# Altium PCB Core.PcbDoc (part 3 of 3)
Units mm, origin at the board's own origin, x right, y up, seen from the top; angles counter-clockwise.
Board outline 77.6 x 67.71 mm, 4 copper layers (Top Layer, Layer 1, Layer 2, Bottom Layer), stack 1.564 mm thick; 287 components, 230 nets, 1091 pads, 581 vias.
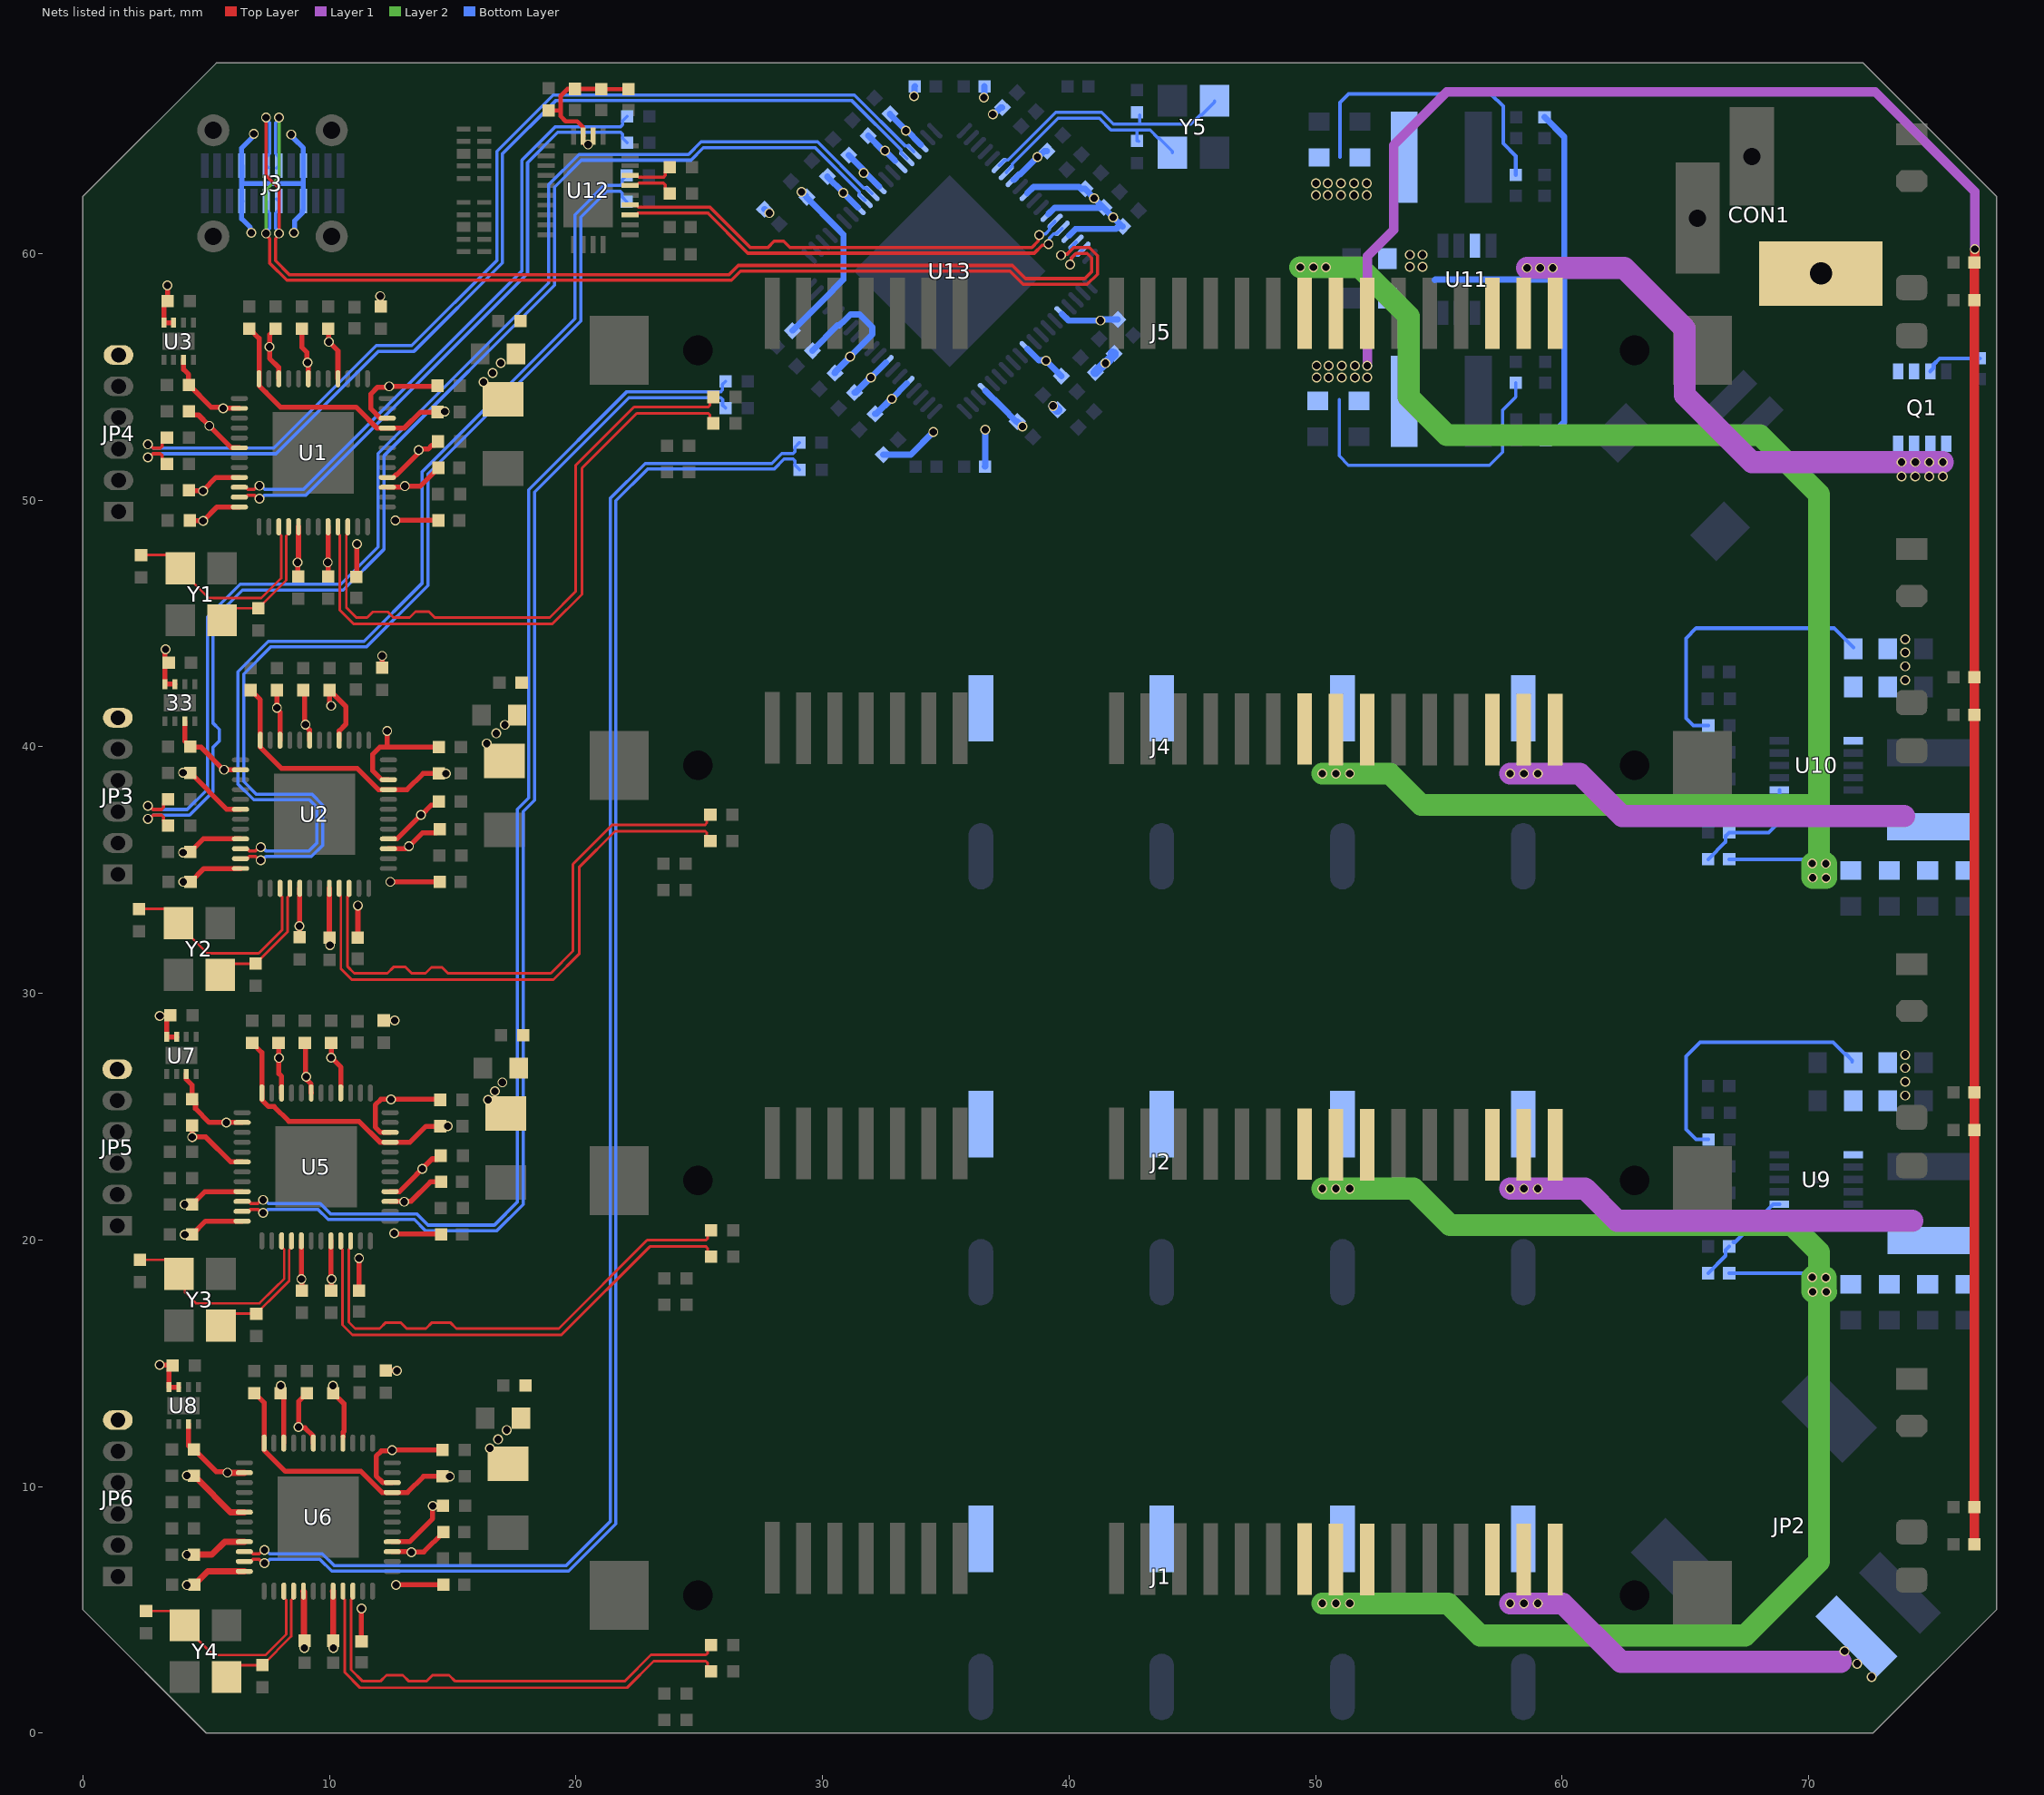
[diagram p5: the nets of this part, all layers, seen from the top]

## Via types
v1: diameter 0.4, hole 0.3, Top Layer to Bottom Layer, tented both sides, 581 vias

## Nets (pads, with @x,y where several pads share a name; then routed paths per layer and width w, separated by ;. In a path a pad name is that pad's centre, name@x,y a point inside that pad or via, vN(x,y) a via of type N, cw(c..) or ccw(c..) an arc to the next point about the centre after c; other vN are vias at no path point) (continued)
SSRX3_N: C52.1 U13.29 | length 51.3
  Top Layer w0.131: v1(2.642,37.601) 2.706,37.601 2.853,37.454 3.2,37.454 3.277,37.531 3.277,37.687 C52.1@3.462,37.871
  Bottom Layer w0.131: v1(2.642,37.601) 2.706,37.601 2.853,37.454 4.233,37.454 5.055,38.276 5.055,45.261 6.377,46.584 10.466,46.584 11.976,48.093 11.976,51.88 18.898,58.802 18.898,62.787 20.122,64.012 24.567,64.012 25.075,64.52 29.8,64.52 31.664,62.656 31.782,62.656 U13.29@32.007,62.43
SSRX3_P: C54.1 U13.28 | length 51.3
  Top Layer w0.131: v1(2.642,37.075) 2.706,37.075 2.853,37.222 3.2,37.222 3.277,37.145 3.277,36.989 C54.1@3.462,36.805
  Bottom Layer w0.131: v1(2.642,37.075) 2.706,37.075 2.853,37.222 4.329,37.222 5.287,38.18 5.287,39.983 5.534,40.231 5.534,40.702 5.287,40.95 5.287,45.165 6.473,46.351 10.563,46.351 12.209,47.997 12.209,51.784 19.13,58.706 19.13,62.691 20.218,63.779 24.663,63.779 25.171,64.287 29.703,64.287 31.5,62.491 31.5,62.374 U13.28@31.725,62.148
SSRX4_N: C51.1 U13.35 | length 41.7
  Top Layer w0.131: v1(2.642,52.257) 2.706,52.257 2.853,52.11 3.15,52.11 3.226,52.187 3.226,52.343 C51.1@3.411,52.527
  Bottom Layer w0.131: v1@2.591,52.257 v1(2.642,52.257) 2.706,52.257 2.853,52.11 7.742,52.11 11.896,56.265 13.34,56.265 16.789,59.714 16.789,64.133 19.081,66.425 31.287,66.425 33.359,64.353 33.479,64.353 U13.35@33.704,64.128
SSRX4_P: C53.1 U13.34 | length 41.5
  Top Layer w0.131: v1(2.642,51.73) 2.706,51.73 2.853,51.878 3.15,51.878 3.226,51.801 3.226,51.645 C53.1@3.411,51.46
  Bottom Layer w0.131: v1@2.591,51.73 v1(2.642,51.73) 2.706,51.73 2.853,51.878 7.838,51.878 11.993,56.032 13.437,56.032 17.022,59.618 17.022,64.037 19.177,66.192 31.191,66.192 33.195,64.189 33.195,64.069 U13.34@33.42,63.844
SSRX_N: U12.17 U13.53 | length 18.8
  Top Layer w0.131: U12.17@22.198,61.56 22.448,61.56 22.532,61.644 25.34,61.644 25.382,61.602 26.867,60.116 26.974,60.009 38.589,60.009 38.912,60.332 39.12,60.332 v1(39.165,60.377)
  Bottom Layer w0.131: v1(39.165,60.377) 39.21,60.423 39.21,60.631 39.371,60.791 39.488,60.791 U13.53@39.714,61.017
SSRX_P: U12.18 U13.52 | length 18.8
  Top Layer w0.131: U12.18@22.198,61.96 22.448,61.96 22.532,61.876 25.436,61.876 27.07,60.242 27.407,60.242 27.788,60.242 28.042,60.496 28.423,60.496 28.677,60.242 29.134,60.242 38.492,60.242 38.747,60.497 38.747,60.705 v1(38.792,60.75) v1@38.792,60.695
  Bottom Layer w0.131: v1(38.792,60.75) 38.838,60.795 39.046,60.795 39.206,60.956 39.206,61.073 U13.52@39.432,61.299
SSTX1_N: C133.1 U6.22 | length 66.1
  Top Layer w0.131: U6.22@6.55,7.363 6.819,7.363 6.903,7.279 7.155,7.279 7.302,7.427 v1(7.366,7.427)
  Bottom Layer w0.131: v1(7.366,7.427) 7.43,7.427 7.577,7.279 9.717,7.279 10.193,6.803 19.606,6.803 21.387,8.584 21.387,50.064 22.809,51.486 27.94,51.486 28.347,51.893 28.804,51.893 28.88,51.969 28.88,52.147 C133.1@29.058,52.324
SSTX1_P: C132.1 U6.23 | length 66.1
  Top Layer w0.131: U6.23@6.55,6.963 6.819,6.963 6.903,7.047 7.155,7.047 7.302,6.9 v1(7.366,6.9)
  Bottom Layer w0.131: v1(7.366,6.9) 7.43,6.9 7.577,7.047 9.621,7.047 10.097,6.57 19.702,6.57 21.619,8.487 21.619,49.967 22.905,51.253 28.036,51.253 28.443,51.66 28.804,51.66 28.88,51.584 28.88,51.416 C132.1@29.065,51.232
SSTX2_N: C137.1 U5.22 | length 51.1
  Top Layer w0.131: U5.22@6.463,21.562 6.731,21.562 6.815,21.478 7.104,21.478 7.251,21.625 v1(7.315,21.625)
  Bottom Layer w0.131: v1(7.315,21.625) 7.379,21.625 7.526,21.478 9.628,21.478 10.045,21.06 13.538,21.06 13.995,20.603 16.692,20.603 17.628,21.539 17.628,37.465 18.085,37.922 18.085,50.419 22.047,54.382 25.868,54.382 25.945,54.458 25.945,54.69 C137.1@26.068,54.813
SSTX2_P: C136.1 U5.23 | length 51.1
  Top Layer w0.131: U5.23@6.463,21.162 6.731,21.162 6.815,21.245 7.104,21.245 7.251,21.098 v1(7.315,21.098)
  Bottom Layer w0.131: v1(7.315,21.098) 7.379,21.098 7.526,21.245 9.532,21.245 9.949,20.828 13.442,20.828 13.899,20.371 16.788,20.371 17.86,21.443 17.86,37.369 18.317,37.826 18.317,50.323 22.144,54.149 25.872,54.149 25.949,54.073 25.949,53.847 C136.1@26.075,53.721
SSTX3_N: C139.1 U2.22 | length 42.3
  Top Layer w0.131: U2.22@6.398,35.862 6.667,35.862 6.751,35.778 7.002,35.778 7.15,35.925 v1(7.214,35.925)
  Bottom Layer w0.131: v1(7.214,35.925) 7.278,35.925 7.425,35.778 9.18,35.778 9.5,36.097 9.5,37.534 9.187,37.846 6.934,37.846 6.295,38.485 6.295,43.043 7.528,44.276 11.41,44.276 13.767,46.633 13.767,51.154 19.964,57.352 19.964,61.568 21.149,62.753 21.793,62.753 21.87,62.829 21.87,62.985 C139.1@22.054,63.17
SSTX3_P: C138.1 U2.23 | length 42.3
  Top Layer w0.131: U2.23@6.398,35.462 6.667,35.462 6.751,35.546 7.002,35.546 7.15,35.398 v1(7.214,35.398)
  Bottom Layer w0.131: v1(7.214,35.398) 7.278,35.398 7.425,35.546 9.277,35.546 9.732,36.001 9.732,37.63 9.284,38.078 7.03,38.078 6.528,38.581 6.528,42.947 7.624,44.044 11.506,44.044 13.999,46.537 13.999,51.058 20.197,57.255 20.197,61.472 21.245,62.52 21.793,62.52 21.87,62.444 21.87,62.288 C138.1@22.054,62.103
SSTX4_N: C141.1 U1.22 | length 24.9
  Top Layer w0.131: U1.22@6.347,50.518 6.616,50.518 6.7,50.434 6.952,50.434 7.099,50.581 v1(7.163,50.581)
  Bottom Layer w0.131: v1(7.163,50.581) 7.227,50.581 7.374,50.434 8.95,50.434 10.893,52.376 17.805,59.289 17.805,63.778 19.168,65.14 21.819,65.14 21.895,65.217 21.895,65.373 C141.1@22.08,65.557
SSTX4_P: C140.1 U1.23 | length 24.9
  Top Layer w0.131: U1.23@6.347,50.118 6.616,50.118 6.7,50.201 6.952,50.201 7.099,50.054 v1(7.163,50.054)
  Bottom Layer w0.131: v1(7.163,50.054) 7.227,50.054 7.374,50.201 9.046,50.201 11.125,52.28 18.038,59.193 18.038,63.682 19.264,64.908 21.819,64.908 21.895,64.831 21.895,64.675 C140.1@22.08,64.491
SSTX_N: C135.1 U12.21 | length 1.5
  Top Layer w0.131: U12.21@22.548,63.083 23.546,63.083 23.622,63.159 23.622,63.315 C135.1@23.807,63.5
SSTX_P: C134.1 U12.20 | length 1.5
  Top Layer w0.131: U12.20@22.548,62.85 23.546,62.85 23.622,62.774 23.622,62.618 C134.1@23.807,62.433
TX1_N: C3.2 U6.33 | length 19.2
  Top Layer w0.109: U6.33@10.55,5.763 10.55,5.488 10.62,5.419 10.62,2.47 11.243,1.847 22.079,1.847 23.151,2.919 25.271,2.919 25.335,2.855 25.335,2.656 C3.2@25.476,2.515
TX1_P: C1.2 U6.34 | length 19.1
  Top Layer w0.109: U6.34@10.95,5.763 10.95,5.488 10.881,5.419 10.881,2.578 11.351,2.108 12.065,2.108 12.312,2.355 12.979,2.355 13.225,2.108 13.933,2.108 14.182,2.357 14.855,2.357 15.104,2.108 21.971,2.108 23.043,3.18 25.276,3.18 25.34,3.244 25.34,3.437 C1.2@25.483,3.581
TX2_N: C4.2 U5.33 | length 20.3
  Top Layer w0.109: U5.33@10.463,19.962 10.463,19.687 10.532,19.618 10.532,16.556 10.941,16.147 19.412,16.147 22.997,19.732 25.277,19.732 25.341,19.668 25.341,19.472 C4.2@25.483,19.329
TX2_P: C2.2 U5.34 | length 20.3
  Top Layer w0.109: U5.34@10.863,19.962 10.863,19.687 10.793,19.618 10.793,16.664 11.049,16.408 12.04,16.408 12.286,16.655 12.885,16.655 13.132,16.408 13.917,16.408 14.164,16.655 14.902,16.655 15.149,16.408 19.304,16.408 22.889,19.993 25.277,19.993 25.341,20.057 25.341,20.254 C2.2@25.483,20.396
TX3_N: C11.2 U2.33 | length 23.3
  Top Layer w0.109: U2.33@10.398,34.262 10.398,33.987 10.467,33.918 10.467,30.994 10.905,30.556 19.089,30.556 20.142,31.609 20.142,35.128 21.586,36.572 25.245,36.572 25.308,36.508 25.308,36.312 C11.2@25.451,36.17
TX3_P: C9.2 U2.34 | length 23.3
  Top Layer w0.109: U2.34@10.798,34.262 10.798,33.987 10.729,33.918 10.729,31.102 11.014,30.818 12.352,30.818 12.598,31.064 13.088,31.064 13.335,30.818 13.901,30.818 14.139,31.055 14.571,31.055 14.808,30.818 18.981,30.818 19.881,31.717 19.881,35.236 21.478,36.834 25.245,36.834 25.308,36.898 25.308,37.094 C9.2@25.451,37.236
TX4_N: C12.2 U1.33 | length 25.6
  Top Layer w0.109: U1.33@10.347,48.918 10.347,48.643 10.427,48.563 10.427,45.529 10.98,44.976 19.043,44.976 20.244,46.177 20.244,51.294 22.464,53.514 25.372,53.514 25.435,53.45 25.435,53.254 C12.2@25.578,53.111
TX4_P: C10.2 U1.34 | length 25.6
  Top Layer w0.109: U1.34@10.747,48.918 10.747,48.643 10.702,48.597 10.702,48.568 10.688,48.555 10.688,45.638 11.088,45.237 11.532,45.237 11.76,45.466 12.37,45.466 12.598,45.237 13.256,45.237 13.491,45.473 14.04,45.473 14.275,45.237 18.934,45.237 19.982,46.285 19.982,51.402 22.356,53.775 25.372,53.775 25.435,53.839 25.435,54.036 C10.2@25.578,54.178
USBD_N: J3.A7 J3.B7 U13.56 | length 46.4
  Top Layer w0.131: v1(7.433,65.507) 7.433,63.154 7.96,62.627 v1@7.96,60.817 ; v1(7.96,60.808) 7.96,60.744 7.911,60.695 7.813,60.596 7.813,59.701 8.37,59.143 26.209,59.143 26.578,59.512 37.694,59.512 38.227,58.979 40.64,58.979 40.916,59.255 40.916,59.815 40.725,60.006 40.282,60.006 40.084,59.808 40.084,59.599 v1(40.039,59.554) v1@39.994,59.509
  Bottom Layer w0.131: v1(7.433,65.507) 7.433,65.443 7.58,65.295 7.58,64.043 7.446,63.91 J3.A7@7.446,63.56 J3.A7@7.529,63.477 ; J3.B7@7.862,62.204 J3.B7@7.946,62.12 7.946,61.77 7.813,61.636 7.813,61.019 7.96,60.872 v1(7.96,60.808) ; v1(40.039,59.554) 40.084,59.599 40.084,59.808 40.218,59.942 40.338,59.942 U13.56@40.563,60.167
USBD_P: J3.A6 J3.B6 U13.55 | length 47.7
  Top Layer w0.131: v1(7.433,60.808) 7.433,60.744 7.58,60.596 7.58,59.604 8.274,58.911 26.305,58.911 26.674,59.28 37.597,59.28 38.131,58.746 40.736,58.746 41.148,59.159 41.148,59.911 40.821,60.238 40.186,60.238 39.92,59.972 39.712,59.972 v1(39.667,59.927) v1@39.621,59.882
  Layer 2 w0.131: v1(7.433,60.808) 7.433,62.576 7.96,63.103 v1(7.96,65.507)
  Bottom Layer w0.131: v1(7.433,60.808) 7.433,60.872 7.58,61.019 7.58,61.636 7.446,61.77 J3.B6@7.446,62.12 ; J3.A6@7.862,63.46 J3.A6@7.954,63.552 ; J3.A6@7.946,63.56 7.946,63.91 7.812,64.043 7.812,65.295 7.96,65.443 v1(7.96,65.507) ; v1(39.667,59.927) 39.712,59.972 39.92,59.972 40.054,60.106 40.054,60.226 U13.55@40.28,60.451
VBUS: C41.2 C42.2 C46.2 C47.2 C83.2 C84.2 C88.2 C89.2 C123.2 C124.2 C129.2 J3.A4 J3.A9 J3.B4 J3.B9 R30.1 R31.1 R38.1 R39.1 R45.2 U1.12 U1.45 U2.12 U2.45 U5.12 U5.45 U6.12 U6.45 U11.7 U12.26 U12.27 | length 81
  Top Layer w0.051: C83.2@14.499,24.613 v1(14.797,24.613)
  Top Layer w0.178: C129.2@18.898,65.793 19.384,65.793 ; 19.38,66.243 19.38,66.389 19.66,66.668 R45.2@19.964,66.668 19.968,66.665 R39.1@20.992,66.665 ; 19.384,66.243 19.384,65.793 ; U12.27@20.295,64.513 20.352,64.456 20.452,64.456 v1(20.495,64.413) ; U12.27@20.298,64.76 20.287,64.771 20.287,65.114 20.046,65.354 19.583,65.354 19.384,65.554 19.384,65.793 ; R39.1@20.904,66.573 20.992,66.661 R39.1@21.031,66.661 R38.1@22.112,66.661 ; R38.1@22.123,66.661 R38.1@22.112,66.661 ; R38.1@22.149,66.624 R38.1@22.112,66.661
  Top Layer w0.203: C41.2@6.756,56.947 7.147,56.556 U1.12@7.147,54.918 7.147,54.639 7.422,54.364 7.426,54.364 8.019,53.771 11.081,53.771 11.194,53.658 11.196,53.658 11.936,52.918 U1.45@12.347,52.918 13.04,52.918 13.691,53.569 C42.2@14.384,53.569 14.392,53.577 14.672,53.577 v1(14.681,53.586) ; C46.2@6.807,42.291 7.198,41.9 U2.12@7.198,40.262 7.198,39.978 8.061,39.115 11.132,39.115 11.985,38.262 U2.45@12.398,38.262 13.148,38.262 13.799,38.913 C47.2@14.434,38.913 v1(14.732,38.913) ; C84.2@6.872,27.991 7.263,27.6 U5.12@7.263,25.962 7.263,25.683 7.537,25.408 7.759,25.408 8.353,24.815 11.197,24.815 12.048,23.963 12.461,23.963 U5.45@12.463,23.962 13.27,23.962 13.921,24.613 C83.2@14.499,24.613 ; C88.2@6.905,13.738 C88.2@6.96,13.792 7.35,13.401 U6.12@7.35,11.763 7.35,11.482 8.216,10.616 11.285,10.616 12.136,9.765 12.549,9.765 U6.45@12.55,9.763 13.167,9.763 13.818,10.414 C89.2@14.587,10.414 v1(14.884,10.414)
  Bottom Layer w0.203: v1(6.833,60.833) 6.795,60.871 6.795,61.055 6.446,61.403 J3.B4@6.446,62.12 J3.B4@6.446,62.12 6.446,62.122 J3.A9@6.446,63.56 ; v1(6.934,64.846) 6.897,64.809 6.897,64.726 6.446,64.276 J3.A9@6.446,63.56 ; v1(8.458,64.821) 8.458,64.768 8.572,64.654 8.572,64.65 8.946,64.276 J3.A4@8.946,63.56 J3.B9@8.946,62.12 8.946,61.77 8.898,61.721 8.898,61.631 8.597,61.33 8.597,60.871 v1(8.56,60.833) ; 8.929,62.839 6.453,62.839 6.448,62.844 J3.A9@6.446,63.56 J3.A9@6.446,63.56
  Bottom Layer w0.254: 54.839,58.928 54.855,58.944 60.084,58.944 ; R30.1@59.284,65.525 60.084,64.725 60.084,58.944 ; R31.1@59.334,52.414 60.084,53.163 60.084,58.944
  other v1: 53.823,59.461 54.331,59.461 53.823,59.944 54.331,59.944
VCC1V0: C125.2 C126.2 C149.2 C150.2 C151.2 C152.2 C153.2 C154.2 C155.2 C156.2 C157.2 C158.2 C159.2 C160.2 L7.1 R34.1 U13.5 U13.8 U13.11 U13.14 U13.27 U13.30 U13.33 U13.36 U13.48 U13.51 U13.54 U13.67 | length 42.1
  Bottom Layer w0.152: 50.984,63.911 50.984,66.123 51.333,66.472 57.099,66.472 57.607,65.964 57.607,64.457 58.115,63.949 R34.1@58.115,63.182
  Bottom Layer w0.254: C153.2@29.591,56.058 30.628,57.094 30.701,57.094 U13.14@30.875,57.268 31.132,57.525 31.507,57.525 32.023,57.01 32.023,56.717 U13.11@31.725,56.419 v1(31.115,55.809) ; C152.2@30.201,63.119 30.201,63.106 30.836,62.471 v1(30.836,62.459) 30.841,62.459 31.435,61.865 U13.27@31.441,61.865 ; C154.2@30.493,55.143 C154.2@30.505,55.143 C154.2@30.505,55.171 ; C150.2@31.064,63.983 31.646,63.401 31.646,63.299 v1(31.674,63.271) ; C149.2@31.293,54.356 C149.2@31.325,54.356 ; v1@31.702,63.299 U13.30@32.289,62.712 ; C151.2@31.852,64.77 32.433,64.188 32.509,64.188 v1(32.537,64.16) ; C157.2@32.131,53.492 C157.2@32.16,53.492 ; v1(32.537,64.16) U13.33@32.945,63.754 ; U13.8@32.573,55.571 v1(31.965,54.964) ; C158.2@32.741,65.659 32.741,65.634 33.376,64.999 v1(33.376,64.973) ; v1@33.375,65.023 33.986,64.411 U13.36@33.986,64.41 ; U13.5@33.42,54.723 v1(32.805,54.108) ; U13.67@38.3,56.137 38.773,55.665 39.052,55.665 C156.2@39.687,55.03 ; U13.48@38.3,62.43 38.559,62.689 40.412,62.689 40.478,62.623 40.64,62.623 41.021,62.242 v1(41.021,62.23) C155.2@41.39,61.861 ; U13.51@39.148,61.583 39.414,61.849 41.228,61.849 41.24,61.861 C155.2@41.39,61.861 ; U13.54@39.998,60.733 40.256,60.992 41.895,60.992 C159.2@42.002,61.099 ; C159.2@42.176,61.099 42.164,61.099 41.795,61.468 v1(41.783,61.468) C155.2@41.39,61.861 ; C154.2@30.505,55.171 30.505,55.199 v1(31.115,55.809) ; C154.2@30.505,55.171 31.115,55.781 v1(31.115,55.809) ; C149.2@31.325,54.356 31.358,54.356 v1(31.965,54.964) ; C149.2@31.325,54.356 31.933,54.964 v1(31.965,54.964) ; C157.2@32.16,53.492 32.189,53.492 v1(32.805,54.108) ; C157.2@32.16,53.492 32.776,54.108 v1(32.805,54.108)
  other v1: 39.065,55.651 50.013,62.357 50.495,62.357 51.029,62.357 51.562,62.357 52.07,62.357 50.013,62.84 50.495,62.84 51.029,62.84 51.562,62.84 52.07,62.84
VCC1V2-A: C19.2 C20.2 C25.2 C26.2 C27.2 C28.2 C29.2 C30.2 C31.2 C32.2 L1.2 U1.4 U1.10 U1.18 U1.21 U1.24 U1.29 U1.32 U1.40 | length 18.2
  Top Layer w0.203: C28.2@4.311,50.394 4.323,50.381 4.864,50.381 v1(4.877,50.368) ; C30.2@4.311,53.594 4.455,53.45 4.691,53.45 v1(5.131,53.01) 6.023,52.118 U1.18@6.347,52.118 ; C25.2@4.336,49.174 4.349,49.162 4.864,49.162 v1(4.877,49.149) 5.445,49.718 U1.24@6.347,49.718 ; v1@4.877,50.394 5.401,50.918 U1.21@6.347,50.918 ; C29.2@7.823,56.947 7.576,56.699 v1(7.576,56.21) 7.576,55.746 7.947,55.375 U1.10@7.947,54.918 ; v1(8.712,47.473) 8.725,47.46 8.725,46.945 C26.2@8.738,46.932 ; v1@8.747,47.447 U1.29@8.747,48.918 ; v1(9.931,47.473) 9.944,47.46 9.944,46.919 C31.2@9.957,46.907 ; v1@9.947,47.447 U1.32@9.947,48.918 ; C27.2@9.957,56.947 9.97,56.934 9.97,56.426 v1(9.982,56.413) 10.347,56.048 U1.4@10.347,54.918 ; U1.40@12.596,50.919 12.691,51.014 12.723,51.014 13.582,51.874 13.582,51.99 v1(13.62,52.028) ; v1@13.614,52.045 13.635,52.066 14.001,52.066 14.162,52.226 14.253,52.226 C32.2@14.402,52.375
  other v1: 16.253,54.79 16.621,55.148 16.955,55.553
VCC1V2-B: C21.2 C22.2 C33.2 C34.2 C35.2 C36.2 C37.2 C38.2 C39.2 C40.2 L2.2 U2.4 U2.10 U2.18 U2.21 U2.24 U2.29 U2.32 U2.40 | length 19.6
  Top Layer w0.203: v1(4.064,35.712) 4.077,35.725 4.349,35.725 C36.2@4.362,35.738 4.886,36.262 U2.21@6.398,36.262 ; v1(4.071,34.519) C33.2@4.369,34.519 4.912,35.062 U2.24@6.398,35.062 ; C35.2@4.362,38.938 5.838,37.462 U2.18@6.398,37.462 ; C34.2@7.874,42.291 7.874,41.527 7.998,41.403 U2.10@7.998,40.262 ; C40.2@8.788,32.276 8.786,32.278 8.786,32.719 v1(8.784,32.721) 8.796,32.734 8.796,34.26 U2.29@8.798,34.262 ; C38.2@9.998,32.26 U2.32@9.998,34.262 ; C38.2@10.008,32.251 10.016,32.243 10.016,31.961 v1(10.024,31.953) ; v1(10.074,41.656) 10.074,41.709 10.008,41.775 C39.2@10.008,42.291 10.67,41.629 10.67,40.914 10.398,40.642 U2.4@10.398,40.262 ; U2.40@12.646,36.263 12.742,36.263 v1(13.715,37.236) ; v1@13.741,37.236 14.126,37.621 14.286,37.621 C37.2@14.434,37.77
  other v1: 4.064,38.938 16.383,40.132 16.764,40.538 17.116,40.886 7.874,41.58
VCC1V2-C: C61.2 C62.2 C67.2 C68.2 C69.2 C70.2 C71.2 C72.2 C73.2 C74.2 L3.2 U5.4 U5.10 U5.18 U5.21 U5.24 U5.29 U5.32 U5.40 | length 19.2
  Top Layer w0.203: v1(4.129,21.438) C67.2@4.426,21.438 4.95,21.962 U5.21@6.463,21.962 ; v1(4.136,20.218) C73.2@4.433,20.218 4.977,20.762 U5.24@6.463,20.762 ; C69.2@4.426,24.638 4.436,24.629 v1(4.436,24.174) ; v1@4.436,24.07 v1(4.436,24.174) ; U5.18@6.463,23.162 5.998,23.162 4.986,24.174 v1(4.436,24.174) ; C71.2@7.939,27.991 7.944,27.985 7.944,27.387 v1(7.95,27.381) 7.95,26.746 8.063,26.634 U5.10@8.063,25.962 ; U5.29@8.863,19.962 8.864,19.96 v1@8.864,18.387 ; v1(8.865,18.415) 8.878,18.401 8.878,17.964 C74.2@8.892,17.951 ; U5.32@10.063,19.962 10.064,19.96 v1@10.064,18.403 ; C68.2@10.072,17.951 10.078,17.956 10.078,18.409 v1(10.084,18.415) ; v1@10.072,27.401 C72.2@10.072,27.991 ; v1@10.082,27.391 10.473,27.001 10.473,26.348 10.464,26.34 U5.4@10.464,26.21 ; U5.40@12.463,21.962 12.843,21.962 14.183,23.302 14.4,23.302 C70.2@14.517,23.419 14.369,23.27 14.215,23.27
  other v1: 13.767,22.885 16.434,25.679 16.713,26.035 17.018,26.391 10.076,27.397
VCC1V2-D: C63.2 C64.2 C75.2 C76.2 C77.2 C78.2 C79.2 C80.2 C81.2 C82.2 L4.2 U6.4 U6.10 U6.18 U6.21 U6.24 U6.29 U6.32 U6.40 | length 20.3
  Top Layer w0.203: v1(8.026,14.09) C78.2@8.026,13.792 8.15,13.668 U6.10@8.15,11.763 ; v1(10.151,14.09) 10.151,13.802 10.589,13.364 10.589,12.243 10.552,12.206 U6.4@10.552,12.011 ; U6.40@12.55,7.763 13.249,7.763 14.187,8.701 v1(14.187,9.213) 14.19,9.217 14.602,9.217 C75.2@14.605,9.22
  Top Layer w0.254: v1(4.216,7.239) C76.2@4.514,7.239 5.234,7.239 5.758,7.763 U6.21@6.55,7.763 ; v1(4.216,10.443) 4.51,10.443 4.637,10.316 5.99,8.963 U6.18@6.55,8.963 ; v1(4.224,6.007) 4.23,6.013 4.515,6.013 5.064,6.563 U6.24@6.55,6.563 ; U6.29@8.95,5.763 8.971,5.742 8.971,3.773 C79.2@8.992,3.752 v1(8.992,3.454) ; U6.32@10.15,5.763 10.155,5.758 10.155,3.757 C80.2@10.16,3.752 v1(10.16,3.454)